# Altium PCB park-contor-12i.PcbDoc (part 2 of 2)
Units mm, origin at the board's own origin, x right, y up, seen from the top; angles counter-clockwise.
Board outline 150 x 232.92 mm, 2 copper layers (Top Layer, Bottom Layer); 154 components, 163 nets, 608 pads, 78 vias.
Unrouted connection lines stored in the file: 101.
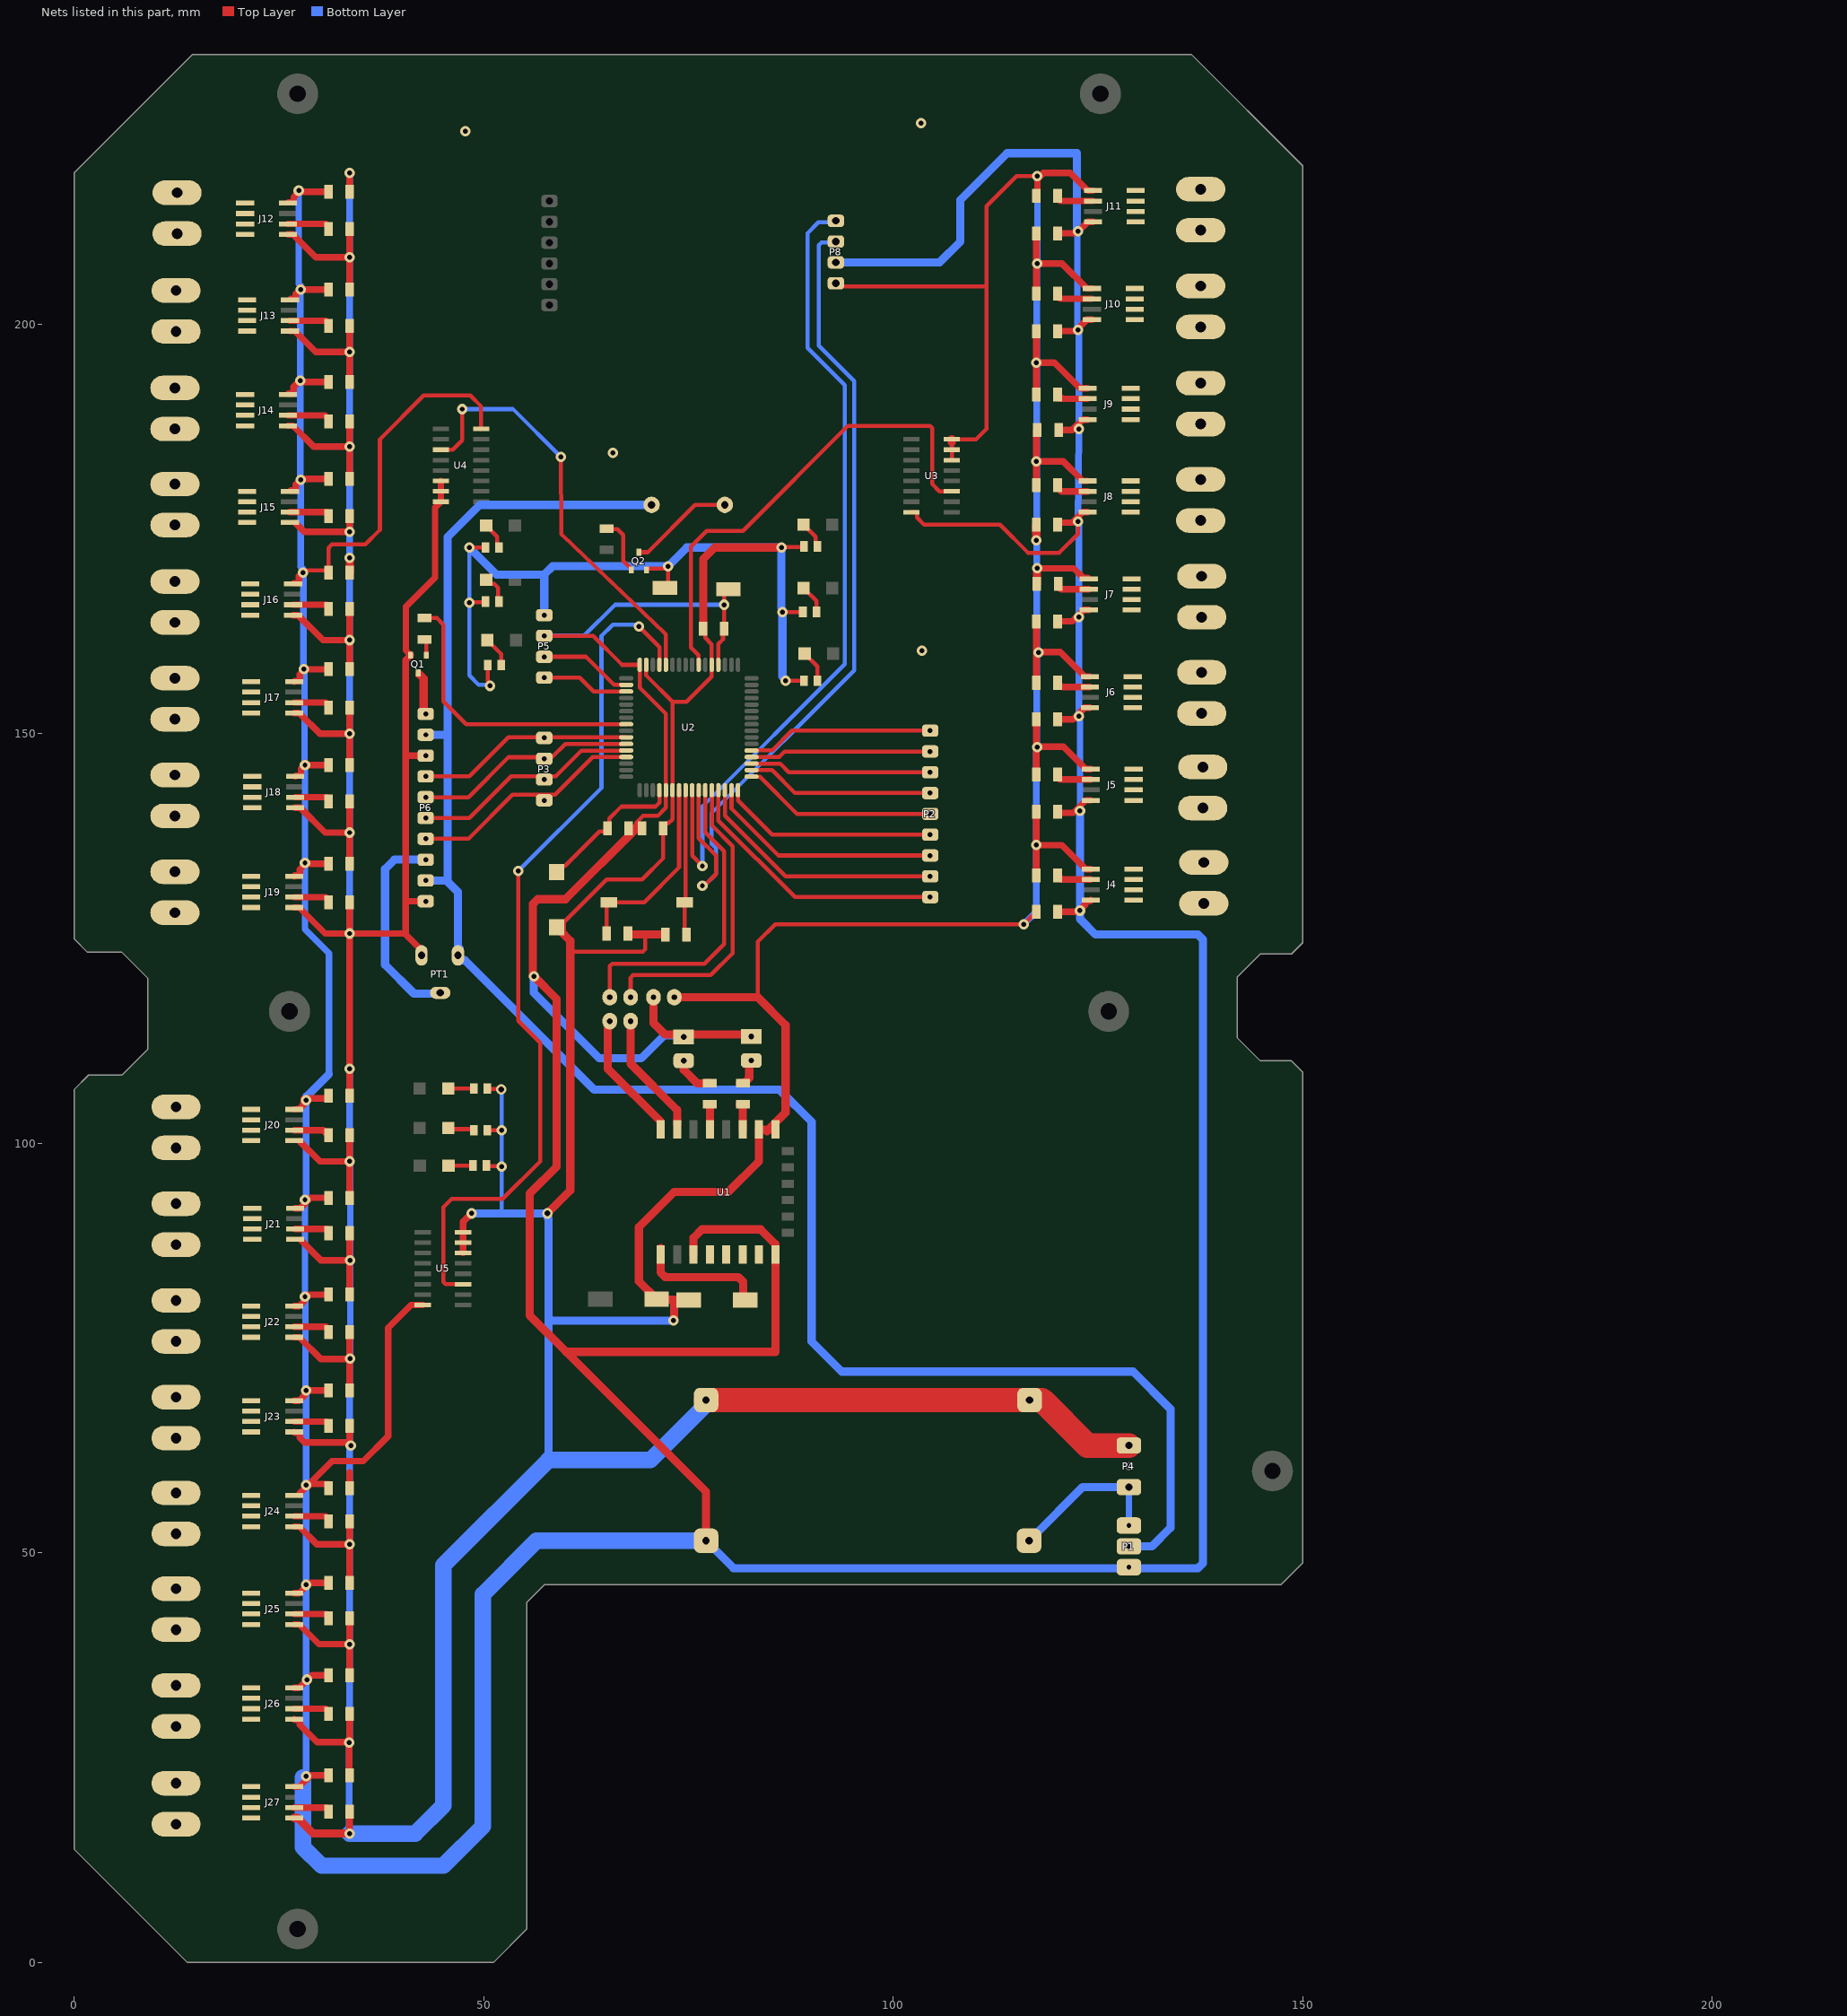
[diagram p2: the nets of this part, all layers, seen from the top]

## Via types
v1: diameter 1.27, hole 0.6, Top Layer to Bottom Layer, 76 vias
v2: diameter 1.27, hole 0.711, Top Layer to Bottom Layer, 2 vias

## Nets (pads, with @x,y where several pads share a name; then routed paths per layer and width w, separated by ;. In a path a pad name is that pad's centre, name@x,y a point inside that pad or via, vN(x,y) a via of type N, cw(c..) or ccw(c..) an arc to the next point about the centre after c; other vN are vias at no path point) (continued)
GND: btn.2 C1.2 C2.2 C3.2 C4.2 C5.2 C6.1 C7.1 C8.1 C9.1 C10.1 C11.1 C12.1 C13.1 C14.1 C15.1 C16.1 C17.1 C18.1 C19.1 C20.1 C21.1 C22.1 C23.1 C24.1 C25.1 C26.1 C27.1 C28.1 C29.1 C30.1 C31.1 C32.1 C33.1 C34.1 C35.1 C36.1 C37.1 C38.1 C39.1 C40.1 C41.1 C42.1 C43.1 C44.1 C45.1 C46.1 C47.1 C48.1 C49.1 C50.1 C51.1 C52.1 C53.1 E1.1 E3.1 J1.2 J4.5 J5.5 J6.5 J7.5 J8.5 J9.5 J10.5 J11.5 J12.5 J13.5 J14.5 J15.5 J16.5 J17.5 J18.5 J19.5 J20.5 J21.5 J22.5 J23.5 J24.5 J25.5 J26.5 J27.5 P4.1 P5.4 P6.3 P6.10 P8.4 PT1.2 Q1.2 Q2.2 R6.2 R7.2 R8.2 R9.2 R10.2 R11.2 R12.2 R13.2 R14.2 rst.2 U1.15 U1.16 U2.22 U2.53 U2.63 U3.6 U3.7 U3.8 U4.6 U4.7 U4.8 U5.6 U5.7 U5.8 | length 1328.7
  Top Layer w0.5: v1(48.26,165.989) 48.323,166.052 50.179,166.052 R10.2@50.242,166.116 ; v1(48.26,172.72) R11.2@50.242,172.72 ; R14.2@50.342,97.282 50.405,97.218 52.161,97.218 v1@52.225,97.155 ; R13.2@50.469,101.6 v1(52.197,101.6) ; R12.2@50.469,106.68 50.532,106.617 52.133,106.617 v2@52.197,106.553 ; R9.2@50.496,158.369 50.496,156.341 50.8,156.037 v1(50.8,155.829) ; rst.2@59.817,125.476 59.817,125.865 59.817,127 65.024,132.207 69.342,132.207 71.938,134.803 C1.2@71.938,138.43 71.938,138.755 72.213,139.03 72.538,139.03 73.057,139.549 U2.22@73.057,143.099 73.057,153.892 ; 60.579,123.389 69.43,123.389 69.723,123.682 69.723,125.476 ; U2.63@69.857,158.399 69.857,157.092 73.057,153.892 ; Q2.2@69.911,169.994 69.911,170.119 69.961,170.169 72.044,170.169 72.309,170.434 v1(72.517,170.434) 72.517,168.148 C3.2@72.136,167.767 ; C2.2@77.054,162.722 77.054,161.706 77.847,160.913 77.847,158.409 U2.53@77.857,158.399 77.847,158.389 77.847,156.968 74.771,153.892 73.057,153.892 ; 83.466,117.829 83.466,124.614 85.598,126.746 v1(115.951,126.746) C19.1@117.475,128.27 ; v1(86.36,172.72) 86.423,172.784 89.041,172.784 R8.2@89.104,172.847 ; v1(86.487,164.846) R7.2@88.977,164.846 ; v1(86.868,156.464) R6.2@89.104,156.464 ; P8.4@93,204.978 93.271,204.978 93.652,204.597 111.379,204.597 ; U3.6@107.163,183.388 U3.7@107.163,184.658 107.163,185.547 ; U3.8@107.163,185.928 110.109,185.928 111.379,187.198 111.379,204.597 ; v1(117.602,218.059) 115.062,218.059 111.379,214.376 111.379,204.597
  Top Layer w0.8: J14.5@26.111,187.579 26.721,187.579 29.261,185.039 v1(33.655,185.039) ; J12.5@26.111,210.947 26.721,210.947 29.515,208.153 v1(33.655,208.153) ; J13.5@26.365,199.136 26.975,199.136 29.515,196.596 v1(33.655,196.596) ; J16.5@26.746,164.465 27.356,164.465 30.404,161.417 v1(33.655,161.417) ; J26.5@26.873,29.718 26.968,29.623 27.578,29.623 27.578,29.013 29.667,26.924 33.186,26.924 v1@33.357,27.095 ; J25.5@26.873,41.275 27.483,41.275 29.896,38.862 v1(33.655,38.862) ; J24.5@26.873,53.213 27.483,53.213 29.642,51.054 v1(33.655,51.054) ; J23.5@26.873,64.77 26.968,64.675 27.578,64.675 27.578,64.064 28.142,63.5 33.205,63.5 33.459,63.246 33.518,63.323 33.655,63.5 C49.1@33.655,65.532 ; J22.5@26.873,76.327 27.483,76.327 30.15,73.66 33.401,73.66 v1@33.655,73.914 ; J19.5@26.873,128.778 27.483,128.778 30.658,125.603 v1(33.655,125.603) ; J17.5@26.873,152.527 27.483,152.527 30.023,149.987 v1(33.655,149.987) ; J18.5@27,140.97 27.61,140.97 30.658,137.922 v1(33.655,137.922) ; J15.5@27.07,175.673 28.118,174.625 v1(33.655,174.625) C41.1@33.655,176.53 ; J20.5@27.578,100.235 30.023,97.79 v1(33.655,97.79) ; J21.5@27.705,88.17 30.15,85.725 v1@33.655,85.725 ; v1@33.528,26.924 v1@33.528,27.266 ; v1(33.655,15.748) C53.1@33.655,18.415 ; C16.1@33.655,22.86 33.591,22.924 v1(33.591,26.86) 33.655,26.924 C52.1@33.655,30.353 ; C24.1@33.655,35.052 v1(33.655,38.862) ; C51.1@33.655,42.037 v1(33.655,38.862) ; C29.1@33.655,46.355 v1(33.655,51.054) ; C50.1@33.655,53.848 v1(33.655,51.054) ; C13.1@33.655,57.912 33.655,59.817 ; C14.1@33.655,69.85 v1@33.655,73.914 ; C48.1@33.655,76.962 v1@33.655,73.914 ; C15.1@33.655,81.534 v1@33.655,85.725 ; C47.1@33.655,89.027 v1@33.655,85.725 ; C20.1@33.655,93.345 v1(33.655,97.79) ; C46.1@33.655,101.473 C46.1@33.655,100.965 v1(33.655,97.79) ; C21.1@33.655,105.791 v1(33.655,109.093) v1(33.655,125.603) ; C45.1@33.655,129.413 v1(33.655,125.603) ; C9.1@33.655,134.112 v1(33.655,137.922) ; C44.1@33.655,141.732 v1(33.655,137.922) ; C6.1@33.655,146.177 v1(33.655,149.987) ; C43.1@33.655,153.162 v1(33.655,149.987) ; C17.1@33.655,157.861 v1(33.655,161.417) ; C42.1@33.655,165.227 v1(33.655,161.417) ; C8.1@33.655,181.102 v1(33.655,185.039) ; C40.1@33.655,188.087 v1(33.655,185.039) ; C12.1@33.655,192.913 v1(33.655,196.596) ; C39.1@33.655,199.771 v1(33.655,196.596) ; C11.1@33.655,204.216 v1(33.655,208.153) ; C38.1@33.655,211.582 v1(33.655,208.153) ; C10.1@33.655,216.154 v1(33.655,218.44) ; PT1.2@42.418,122.388 42.418,123.571 40.386,125.603 ; P6.10@42.926,129.54 40.489,129.54 ; P6.3@42.926,147.32 40.489,147.32 ; U4.6@44.78,180.848 U4.7@44.78,179.578 U4.8@44.78,178.308 44.069,177.597 44.069,169.037 40.513,165.481 40.513,160.145 Q1.2@41.087,159.571 40.489,158.973 40.489,147.32 ; U5.6@47.498,86.614 U5.7@47.498,87.884 U5.8@47.498,89.154 47.498,90.424 v1@48.26,91.186 ; v1@117.463,207.252 v1@117.475,207.264 ; C30.1@117.475,132.715 v1(117.475,136.398) ; C22.1@117.475,140.462 v1(117.475,136.398) ; C31.1@117.475,145.034 v1@117.475,148.399 ; C28.1@117.475,151.765 v1@117.475,148.399 ; C32.1@117.475,156.21 v1@117.475,159.957 ; C27.1@117.475,163.703 v1@117.475,159.957 ; C26.1@117.475,175.514 C26.1@117.51,175.479 ; C34.1@117.475,180.34 v1(117.475,183.246) ; C35.1@117.475,191.389 v1(117.475,195.262) ; C23.1@117.475,199.136 v1(117.475,195.262) ; C36.1@117.475,203.708 v1@117.475,207.264 ; C18.1@117.475,211.074 v1@117.475,207.264 ; C37.1@117.475,215.646 117.6,215.771 v1@117.6,217.676 ; C33.1@117.51,168.311 C33.1@117.546,168.275 ; C25.1@117.602,187.071 117.477,186.946 117.477,186.154 117.475,186.152 v1(117.475,183.246) ; v1@117.781,170.18 122.044,170.18 123.171,169.053 123.171,169.005 J7.5@123.781,169.005 ; v1@117.792,217.868 118.364,218.44 121.615,218.44 123.774,216.281 J11.5@124.384,216.281 ; J8.5@123.749,180.848 123.139,180.848 120.741,183.246 v1(117.475,183.246) ; J9.5@123.749,192.151 122.809,192.151 119.697,195.262 v1(117.475,195.262) ; J6.5@124.003,156.972 123.393,156.972 120.409,159.957 v1@117.475,159.957 ; J4.5@124.13,133.477 123.52,133.477 120.599,136.398 v1(117.475,136.398) ; J5.5@124.13,145.669 123.52,145.669 120.79,148.399 v1@117.475,148.399 ; J10.5@124.257,204.343 123.647,204.343 120.599,207.391 v1(117.602,207.391) v1@117.475,207.264 ; v1(33.655,125.603) 40.386,125.603 ; 40.386,125.603 40.489,125.706 40.489,129.54 ; 40.489,129.54 40.489,147.32
  Top Layer w1: J27.5@26.873,17.653 27.283,17.653 29.188,15.748 v1(33.655,15.748) ; C7.1@33.655,169.672 v1(33.655,171.45) ; v1(33.655,218.44) v1@33.755,218.34 ; v2(57.785,91.44) 57.785,91.455 60.579,94.249 60.579,123.389 60.579,124.714 59.817,125.476 59.428,125.865 59.353,125.865 58.928,126.29 rst.2@58.928,126.365 ; C4.2@67.62,125.603 67.747,125.476 69.723,125.476 C5.2@72.18,125.476 ; btn.2@71.12,80.999 68.961,83.158 68.961,89.762 73.279,94.08 79.883,94.08 83.622,97.819 U1.16@83.622,101.689 84.798,101.689 ; btn.2@71.128,80.991 71.183,80.935 73.252,80.935 ; v1@73.152,78.359 73.252,78.459 73.252,80.872 rst.2@75.057,80.872 ; J1.2@73.279,117.829 83.466,117.829 86.868,114.427 86.868,103.759 84.798,101.689 ; C2.2@76.804,162.814 76.804,171.292 78.232,172.72 v1(86.36,172.72) ; 84.582,101.473 84.798,101.689 ; U1.15@85.622,101.689 84.798,101.689 ; 107.163,185.547 U3.8@107.163,185.928 ; v1(117.475,173.609) C26.1@117.475,175.514 ; C33.1@117.546,168.275 117.571,168.3 117.571,170.149 v1(117.602,170.18)
  Top Layer w3: E3.1@77.156,68.661 E1.1@116.656,68.661 118.156,68.661 123.698,63.119 P4.1@128.778,63.119
  Bottom Layer w0.5: v1(48.26,172.72) v1(48.26,165.989) 48.26,157.099 49.415,155.944 50.685,155.944 v1(50.8,155.829) ; 52.197,91.44 v1(52.197,97.155) v1(52.197,101.6) v2@52.197,106.712
  Bottom Layer w0.8: v1(33.655,15.748) 33.591,15.811 v1(33.591,26.86) 33.528,26.924 33.655,27.051 v1(33.655,38.862) v1(33.655,51.054) 33.655,73.533 33.782,73.66 v1(33.718,73.724) v1(33.718,85.725) 33.718,97.727 v1(33.655,97.79) v1(33.655,109.093) ; v1(33.655,125.603) v1(33.655,137.922) v1(33.655,149.987) v1(33.655,161.417) v1(33.655,171.45) v1(33.655,174.625) v1(33.655,185.039) v1(33.655,196.596) v1(33.655,208.153) v1(33.655,218.44) ; v1(115.951,126.746) 117.475,128.27 v1(117.475,136.398) 117.475,148.399 117.538,148.463 117.538,207.327 v1(117.602,207.391) v1(117.602,218.059)
  Bottom Layer w1: v1(48.26,172.72) 51.562,169.418 57.404,169.418 ; v1(48.514,91.44) 52.197,91.44 v2(57.785,91.44) 57.837,91.388 57.837,90.891 57.912,90.815 57.912,78.74 ; P5.4@57.404,164.465 57.404,169.418 ; 57.912,61.341 57.912,78.74 ; v1(73.174,78.359) 58.293,78.359 57.912,78.74 ; v1(86.868,156.464) 86.868,156.606 86.487,156.987 v1(86.487,164.846) 86.387,164.946 86.387,165.317 86.36,165.344 v1(86.36,172.72) 74.803,172.72 v1(72.517,170.434) 58.42,170.434 57.404,169.418
  Bottom Layer w2: v1(33.655,15.748) 41.656,15.748 45.085,19.177 45.085,48.514 57.912,61.341 70.358,61.341 E3.1@77.861,68.844
  other v1: 33.782,63.119 117.602,148.336 117.729,159.893 103.505,160.147 65.786,184.277 47.752,223.52 103.378,224.536
  other v2: 52.168,106.565
i1: U2.61 U5.3 | length 106.3
  Top Layer w0.5: U5.3@47.498,82.804 45.378,82.804 45.085,83.097 45.085,92.202 46.101,93.218 52.324,93.218 56.896,97.79 56.896,112.268 54.229,114.935 v1(54.229,133.223) ; v1(68.961,163.068) 71.301,160.712 71.31,160.703 ; 71.311,160.703 71.457,160.556 U2.61@71.457,158.399
  Bottom Layer w0.5: v1(54.229,133.223) 64.389,143.383 64.389,161.925 65.786,163.322 68.41,163.322 68.468,163.264 69.019,163.264 v1(68.961,163.068)
i2: U2.60 U4.3 | length 51.8
  Top Layer w0.5: U4.3@44.78,184.658 46.228,184.658 47.371,185.801 v1@47.371,189.23 ; v1(59.436,183.769) 59.469,174.578 59.47,174.372 59.619,174.223 72.107,162.243 72.11,162.24 72.257,162.093 U2.60@72.257,158.399
  Bottom Layer w0.5: v1(47.371,189.611) 53.594,189.611 v1(59.436,183.769)
i3: U2.55 U3.3 | length 60.1
  Top Layer w0.5: U2.55@76.257,158.399 76.257,159.582 75.311,160.528 75.311,172.847 77.216,174.752 81.661,174.752 94.488,187.579 104.482,187.579 104.775,187.286 104.775,180.467 105.664,179.578 U3.3@107.163,179.578
i9: U1.7
i11: U1.5
i12: U1.4
i13: U1.6
k1: P2.3 U2.35 | length 22.3
  Top Layer w0.5: U2.35@82.707,146.349 86.188,146.349 87.249,145.288 P2.3@104.521,145.288
k2: P2.2 U2.36 | length 22.1
  Top Layer w0.5: U2.36@82.707,147.149 82.717,147.159 83.352,147.159 83.363,147.17 86.083,147.17 86.741,147.828 P2.2@104.521,147.828
k3: P2.1 U2.37 | length 22.8
  Top Layer w0.5: U2.37@82.707,147.949 85.211,147.949 87.63,150.368 P2.1@104.521,150.368
l1: P3.4 P6.4 U2.10 | length 26.5
  Top Layer w0.5: P6.4@42.926,144.78 48.26,144.78 53.029,149.549 57.404,149.549 U2.10@67.407,149.549
l2: P3.3 P6.5 U2.11 | length 27.2
  Top Layer w0.5: P6.5@42.926,142.24 48.133,142.24 53.012,147.119 57.404,147.119 58.346,147.119 59.966,148.739 67.397,148.739 U2.11@67.407,148.749
l3: P3.2 P6.6 U2.12 | length 27.9
  Top Layer w0.5: P6.6@42.926,139.7 48.26,139.7 53.34,144.78 57.404,144.78 58.801,144.78 61.96,147.939 67.397,147.939 U2.12@67.407,147.949
l4: P3.1 P6.7 U2.13 | length 28.6
  Top Layer w0.5: P6.7@42.926,137.16 48.133,137.16 53.53,142.558 58.737,142.558 63.319,147.139 67.397,147.139 U2.13@67.407,147.149
lcd: R2.1 U2.8 | length 35.5
  Top Layer w0.5: R2.1@42.799,164.109 44.298,164.109 45.085,163.322 45.085,153.924 47.86,151.149 U2.8@67.407,151.149
led: R4.1 U1.17 | length 3.4
  Top Layer w1: R4.1@81.28,104.75 R4.1@81.597,104.75 ; U1.17@81.622,101.689 R4.1@81.622,104.75
NetBuzzer1_2: Buzzer1.2 Q2.3 | length 12.9
  Top Layer w0.5: Q2.3@68.961,172.144 70.036,172.144 75.819,177.927 Buzzer1.2@79.45,177.927
NetC4_1: C4.1 U2.23 Y1.2 | length 22.7
  Top Layer w0.5: C4.1@65.024,125.626 Y1.2@65.024,128.778 ; Y1.2@65.532,129.413 69.596,129.413 73.857,133.674 U2.23@73.857,143.099
NetC5_1: C5.1 U2.24 Y1.1 | length 17.7
  Top Layer w0.5: Y1.1@74.549,129.413 74.549,125.703 C5.1@74.776,125.476 ; Y1.1@74.647,129.413 74.647,143.089 U2.24@74.657,143.099
NetC30_2: C30.2 J4.6 | length 4.3
  Top Layer w0.8: C30.2@120.071,132.715 120.579,132.207 J4.6@124.13,132.207
NetC31_2: C31.2 J5.6 | length 4.5
  Top Layer w0.8: C31.2@120.071,145.034 120.071,144.709 120.381,144.399 J5.6@124.13,144.399
NetC32_2: C32.2 J6.6 | length 4.3
  Top Layer w0.8: C32.2@120.071,156.21 120.071,155.885 120.196,155.76 120.607,155.76 120.665,155.702 J6.6@124.003,155.702
NetC33_2: C33.2 J7.6 | length 4.2
  Top Layer w0.8: C33.2@120.142,168.275 120.142,167.95 120.452,167.64 J7.6@123.876,167.64
NetC34_2: C34.2 J8.6 | length 4.2
  Top Layer w0.8: C34.2@120.071,180.34 120.071,180.015 120.508,179.578 J8.6@123.749,179.578
NetC35_2: C35.2 J9.6 | length 4.4
  Top Layer w0.8: J9.6@123.749,190.881 120.665,190.881 120.607,190.939 120.196,190.939 C35.2@120.071,191.064 ; C35.2@120.071,191.064 C35.2@120.071,191.389 C35.2@120.071,191.064
NetC36_2: C36.2 J10.6 | length 4.6
  Top Layer w0.8: C36.2@120.071,203.708 120.071,203.383 120.381,203.073 J10.6@124.257,203.073
NetC37_2: C37.2 J11.6 | length 4.8
  Top Layer w0.8: C37.2@120.071,215.646 120.071,215.321 120.381,215.011 J11.6@124.384,215.011
NetC38_2: C38.2 J12.6 | length 5.4
  Top Layer w0.8: J12.6@26.111,212.217 30.749,212.217 31.059,211.907 C38.2@31.059,211.582
NetC39_2: C39.2 J13.6 | length 5.1
  Top Layer w0.8: J13.6@26.365,200.406 30.749,200.406 31.059,200.096 C39.2@31.059,199.771
NetC40_2: C40.2 J14.6 | length 5.5
  Top Layer w0.8: J14.6@26.111,188.849 30.622,188.849 31.059,188.412 C40.2@31.059,188.087
NetC41_2: C41.2 J15.6 | length 5.1
  Top Layer w0.8: J15.6@26.365,177.038 30.876,177.038 31.059,176.855 C41.2@31.059,176.53
NetC42_2: C42.2 J16.6 | length 4.7
  Top Layer w0.8: J16.6@26.746,165.735 30.876,165.735 31.059,165.552 C42.2@31.059,165.227
NetC43_2: C43.2 J17.6 | length 4.6
  Top Layer w0.8: J17.6@26.873,153.797 30.749,153.797 31.059,153.487 C43.2@31.059,153.162
NetC44_2: C44.2 J18.6 | length 4.5
  Top Layer w0.8: J18.6@27,142.24 30.876,142.24 31.059,142.057 C44.2@31.059,141.732
NetC45_2: C45.2 J19.6 | length 4.6
  Top Layer w0.8: J19.6@26.873,130.048 30.749,130.048 31.059,129.738 C45.2@31.059,129.413
NetC46_2: C46.2 J20.6 | length 4.6
  Top Layer w0.5: C46.2@30.932,101.6 C46.2@31.059,101.473
  Top Layer w0.8: J20.6@26.873,101.6 30.424,101.6 30.805,101.219 C46.2@31.059,100.965
NetC47_2: C47.2 J21.6 | length 4.1
  Top Layer w0.8: J21.6@27,89.535 30.934,89.535 31.059,89.41 C47.2@31.059,89.408
NetC48_2: C48.2 J22.6 | length 4.6
  Top Layer w0.8: J22.6@26.873,77.597 30.749,77.597 31.059,77.287 C48.2@31.059,76.962
NetC49_2: C49.2 J23.6 | length 4.6
  Top Layer w0.8: J23.6@26.873,66.04 30.876,66.04 31.059,65.857 C49.2@31.059,65.532
NetC50_2: C50.2 J24.6 | length 4.6
  Top Layer w0.8: J24.6@26.873,54.483 30.749,54.483 31.059,54.173 C50.2@31.059,53.848
NetC51_2: C51.2 J25.6 | length 4.6
  Top Layer w0.8: J25.6@26.873,42.545 30.876,42.545 31.059,42.362 C51.2@31.059,42.037
NetC52_2: C52.2 J26.6 | length 4.6
  Top Layer w0.8: J26.6@26.873,30.988 30.749,30.988 31.059,30.678 C52.2@31.059,30.353
NetC53_2: C53.2 J27.6 | length 4.6
  Top Layer w0.8: J27.6@26.873,18.923 30.876,18.923 31.059,18.74 C53.2@31.059,18.415
NetD1_2: D1.2 R3.2 | length 5
  Top Layer w1: D1.2@74.423,110.082 74.423,108.965 76.072,107.316 77.243,107.316 77.272,107.346 R3.2@77.597,107.346
NetD2_2: D2.2 R4.2 | length 3.5
  Top Layer w1: R4.2@81.28,107.346 81.305,107.371 81.837,107.371 82.423,107.956 D2.2@82.423,110.109
NetD3_2: D3.2 R6.1 | length 4
  Top Layer w0.5: D3.2@89.182,159.766 90.754,158.194 R6.1@90.754,156.464
NetD4_2: D4.2 R7.1 | length 3.6
  Top Layer w0.5: D4.2@89.055,167.767 90.627,166.195 R7.1@90.627,164.846
NetD5_2: D5.2 R8.1 | length 3.4
  Top Layer w0.5: D5.2@89.055,175.514 90.529,174.04 90.529,173.072 R8.1@90.754,172.847
NetD6_2: D6.2 R9.1 | length 3.8
  Top Layer w0.5: D6.2@50.447,161.417 52.146,159.718 R9.1@52.146,158.369
NetD7_2: D7.2 R10.1 | length 4.4
  Top Layer w0.5: D7.2@50.347,169.236 50.347,168.756 50.82,168.283 51.3,168.283 51.765,167.818 R10.1@51.765,165.735
NetD8_2: D8.2 R11.1 | length 3.3
  Top Layer w0.5: D8.2@50.32,175.387 51.667,174.04 51.667,172.945 R11.1@51.892,172.72
NetD9_2: D9.2 R12.1 | length 2.8
  Top Layer w0.5: D9.2@45.692,106.68 R12.1@48.514,106.68
NetD10_2: D10.2 R13.1 | length 2.9
  Top Layer w0.5: D10.2@45.692,101.854 45.819,101.727 R13.1@48.514,101.727
NetD11_2: D11.2 R14.1 | length 2.8
  Top Layer w0.5: D11.2@45.72,97.282 R14.1@48.542,97.282
NetE4_1: E4.1 P1.3 P4.3 | length 19.5
  Bottom Layer w0.8: P1.3@128.778,53.34 P4.3@128.778,58.039
  Bottom Layer w1: E4.1@116.588,51.745 116.838,51.995 117.088,51.995 123.132,58.039 P4.3@128.778,58.039
NetJ2_1: J2.1 U2.28 | length 37
  Top Layer w0.5: J2.1@67.945,117.829 67.945,120.23 68.238,120.523 77.724,120.523 80.391,123.19 80.391,136.271 77.867,138.795 77.867,143.089 U2.28@77.857,143.099
NetJ2_2: J2.2 U2.27 | length 38.6
  Top Layer w0.5: J2.2@65.405,117.829 65.405,121.627 65.698,121.92 76.962,121.92 79.375,124.333 79.375,135.636 77.078,137.933 77.078,142.443 77.067,142.454 77.067,143.089 U2.27@77.057,143.099
NetJ3_1: J3.1 U1.22 | length 16
  Top Layer w1: J3.1@65.405,114.908 65.256,114.759 65.256,114.082 65.151,113.977 65.151,109.093 71.622,102.622 U1.22@71.622,101.689
NetJ3_2: J3.2 U1.21 | length 13.9
  Top Layer w1: 67.945,113.892 67.945,109.728 73.622,104.051 U1.21@73.622,102.314
NetJ4_1: J4.1 J4.2 T1.1
NetJ4_3: J4.3 J4.4 T1.2
NetJ5_1: J5.1 J5.2 T2.1
NetJ5_3: J5.3 J5.4 T2.2
NetJ6_1: J6.1 J6.2 T3.1
NetJ6_3: J6.3 J6.4 T3.2
NetJ7_1: J7.1 J7.2 T4.1
NetJ7_3: J7.3 J7.4 T4.2
NetJ8_1: J8.1 J8.2 T5.1
NetJ8_3: J8.3 J8.4 T5.2
NetJ9_1: J9.1 J9.2 T6.1
NetJ9_3: J9.3 J9.4 T6.2
NetJ10_1: J10.1 J10.2 T7.1
NetJ10_3: J10.3 J10.4 T7.2
NetJ11_1: J11.1 J11.2 T8.1
NetJ11_3: J11.3 J11.4 T8.2
NetJ12_1: J12.1 J12.2 T9.1
NetJ12_3: J12.3 J12.4 T9.2
NetJ13_1: J13.1 J13.2 T10.1
NetJ13_3: J13.3 J13.4 T10.2
NetJ14_1: J14.1 J14.2 T11.1
NetJ14_3: J14.3 J14.4 T11.2
NetJ15_1: J15.1 J15.2 T12.1
NetJ15_3: J15.3 J15.4 T12.2
NetJ16_1: J16.1 J16.2 T13.1
NetJ16_3: J16.3 J16.4 T13.2
NetJ17_1: J17.1 J17.2 T14.1
NetJ17_3: J17.3 J17.4 T14.2
NetJ18_1: J18.1 J18.2 T15.1
NetJ18_3: J18.3 J18.4 T15.2
NetJ19_1: J19.1 J19.2 T16.1
NetJ19_3: J19.3 J19.4 T16.2
NetJ20_1: J20.1 J20.2 T17.1
NetJ20_3: J20.3 J20.4 T17.2
NetJ21_1: J21.1 J21.2 T18.1
NetJ21_3: J21.3 J21.4 T18.2
NetJ22_1: J22.1 J22.2 T19.1
NetJ22_3: J22.3 J22.4 T19.2
NetJ23_1: J23.1 J23.2 T20.1
NetJ23_3: J23.3 J23.4 T20.2
NetJ24_1: J24.1 J24.2 T21.1
NetJ24_3: J24.3 J24.4 T21.2
NetJ25_1: J25.1 J25.2 T22.1
NetJ25_3: J25.3 J25.4 T22.2
NetJ26_1: J26.1 J26.2 T23.1
NetJ26_3: J26.3 J26.4 T23.2
NetJ27_1: J27.1 J27.2 T24.1
NetJ27_3: J27.3 J27.4 T24.2
NetP2_4: P2.4 U2.34 | length 23
  Top Layer w0.5: U2.34@82.707,145.549 85.21,145.549 88.011,142.748 P2.4@104.521,142.748
NetP2_5: P2.5 U2.33 | length 23.7
  Top Layer w0.5: U2.33@82.707,144.749 82.717,144.739 83.734,144.739 88.265,140.208 P2.5@104.521,140.208
NetP2_6: P2.6 U2.32 | length 26.5
  Top Layer w0.5: U2.32@81.057,143.099 81.057,141.828 85.217,137.668 P2.6@104.521,137.668
NetP2_7: P2.7 U2.31 | length 28.9
  Top Layer w0.5: U2.31@80.257,143.099 80.267,143.089 80.267,140.84 85.979,135.128 P2.7@104.521,135.128
NetP2_8: P2.8 U2.30 | length 31.2
  Top Layer w0.5: U2.30@79.457,143.099 79.467,143.089 79.467,139.989 86.868,132.588 P2.8@104.521,132.588
NetP2_9: P2.9 U2.29 | length 33.4
  Top Layer w0.5: U2.29@78.657,143.099 78.667,143.089 78.667,139.392 88.011,130.048 P2.9@104.521,130.048
NetP5_1: P5.1 U2.3 | length 10.7
  Top Layer w0.5: P5.1@57.404,156.845 61.722,156.845 63.418,155.149 U2.3@67.407,155.149
NetP5_2: P5.2 U2.2 | length 11.4
  Top Layer w0.5: P5.2@57.404,159.385 62.484,159.385 65.92,155.949 U2.2@67.407,155.949
NetP6_1: P6.1 Q1.3 | length 5.1
  Top Layer w1: Q1.3@42.164,157.226 42.676,156.714 42.676,152.65 P6.1@42.926,152.4
NetP6_8: P6.8 PT1.3 | length 25.9
  Bottom Layer w1: P6.8@42.926,134.62 39.116,134.62 37.973,133.477 37.973,121.793 41.498,118.268 PT1.3@45.308,118.268
NetQ1_2: Q1.1 R2.2 | length 2
  Top Layer w0.5: Q1.1@43.003,159.385 R2.2@43.003,161.389
NetQ2_2: Q2.1 R5.2 | length 7.3
  Top Layer w0.5: R5.2@64.724,175.006 64.761,174.969 66.331,174.969 67.047,174.254 67.047,171.084 68.011,170.119 Q2.1@68.011,169.994
NetR3_1: R3.1 U1.19 | length 3.1
  Top Layer w1: R3.1@77.597,104.75 77.622,104.725 U1.19@77.622,101.689
rst: R1.1 rst.1@58.928,133.096 U2.20 | length 17.6
  Top Layer w0.5: rst.1@59.056,133.615 59.288,133.846 59.932,133.846 64.143,138.057 64.851,138.057 65.126,138.332 R1.1@65.126,138.43 ; R1.1@65.348,138.653 65.348,139.643 66.802,141.097 70.993,141.097 71.457,141.561 U2.20@71.457,143.099
rstsim: rst.1@81.915,80.872 U1.1 | length 15.8
  Top Layer w1: U1.1@71.597,87.212 71.597,84.252 72.183,83.666 81.106,83.666 81.691,83.08 81.691,81.096 rst.1@81.915,80.872
scl: P8.1 U2.25 | length 99.2
  Top Layer w0.5: U2.25@75.457,143.099 75.457,135.109 v1(76.708,133.858)
  Bottom Layer w0.5: v1(76.708,133.858) 76.708,141.097 94.107,158.496 94.107,192.532 89.535,197.104 89.535,211.074 90.868,212.407 92.011,212.407 P8.1@92.075,212.471
sda: P8.2 U2.26 | length 103
  Top Layer w0.5: U2.26@76.257,143.099 76.257,137.23 78.359,135.128 78.359,132.842 77.314,131.797 77.269,131.797 76.916,131.445 v1(76.708,131.445)
  Bottom Layer w0.5: v1@76.708,131.191 78.359,132.842 78.359,136.017 77.851,136.525 77.851,140.335 95.25,157.734 95.25,193.04 90.932,197.358 90.932,209.638 91.225,209.931 P8.2@92.075,209.931
vcc: Buzzer1.1 P1.2 P6.2 P6.9 PT1.1 | length 229.1
  Bottom Layer w1: P6.2@42.926,149.86 45.466,149.86 45.593,149.733 ; P6.9@43.021,132.08 45.466,132.08 45.593,131.953 ; PT1.1@46.863,122.936 46.863,122.571 47.094,122.34 47.713,122.34 63.503,106.55 86.109,106.55 90.043,102.616 90.043,75.819 93.726,72.136 129.286,72.136 133.858,67.564 133.858,53.086 131.572,50.8 P1.2@128.778,50.8 ; PT1.1@47.094,123.737 46.863,123.968 46.863,130.683 45.593,131.953 ; Buzzer1.1@70.5,177.927 49.53,177.927 45.593,173.99 45.593,149.733 ; 45.593,131.953 45.593,149.733
vdd: C1.1 C2.1 C3.1 C6.2 C7.2 C8.2 C9.2 C10.2 C11.2 C12.2 C13.2 C14.2 C15.2 C16.2 C17.2 C18.2 C19.2 C20.2 C21.2 C22.2 C23.2 C24.2 C25.2 C26.2 C27.2 C28.2 C29.2 D1.1 D2.1 E2.1 J1.1 J4.8 J5.8 J6.8 J7.8 J8.8 J9.8 J10.8 J11.8 J12.8 J13.8 J14.8 J15.8 J16.8 J17.8 J18.8 J19.8 J20.8 J21.8 J22.8 J23.8 J24.8 J25.8 J26.8 J27.8 P1.1 P5.3 P8.3 R1.2 U1.3 U1.8 U2.21 U2.52 U2.64 U3.16 U4.16 U5.16 | length 1056.9
  Top Layer w0.5: v1@27.94,169.926 30.805,169.926 C7.2@31.059,169.672 31.059,172.681 31.479,173.101 35.56,173.101 37.338,174.879 37.338,185.928 42.672,191.262 48.387,191.262 49.708,189.941 U4.16@49.708,187.198 ; P5.3@57.658,161.925 63.373,161.925 66.899,158.399 U2.64@69.057,158.399 69.057,155.606 72.236,152.427 72.236,142.388 72.257,142.367 72.257,140.964 71.247,139.954 69.469,139.954 68.66,139.145 68.66,138.731 C1.1@68.961,138.43 ; 68.58,138.43 C1.1@68.961,138.43 ; C1.1@69.342,138.43 C1.1@68.961,138.43 ; U2.52@78.657,158.399 78.667,158.409 78.667,160.963 79.229,161.525 79.229,162.816 C2.1@79.375,162.963 ; C2.1@79.375,162.814 79.375,167.132 C3.1@79.883,167.64 ; U3.16@102.235,177.038 102.871,177.038 102.9,177.009 102.9,176.373 103.759,175.514 113.03,175.514 116.459,172.085 120.269,172.085 122.555,174.371 v1@122.555,175.641
  Top Layer w0.8: J14.8@26.206,191.484 26.805,191.484 26.805,192.336 27.559,193.09 v1@27.559,193.167 ; J12.8@26.206,214.852 26.816,214.852 26.816,215.469 27.197,215.85 27.197,215.919 27.432,216.154 v1(27.432,216.281) ; J15.8@26.46,179.673 27.07,179.673 27.07,180.417 27.686,181.033 v1@27.686,181.229 ; J13.8@26.46,203.041 27.07,203.041 27.07,203.658 27.686,204.274 v1@27.686,204.47 ; J16.8@26.841,168.37 27.451,168.37 27.451,169.241 ; J27.8@26.873,21.463 27.483,21.463 28.88,22.86 C16.2@30.932,22.86 ; J26.8@26.873,33.528 27.483,33.528 29.007,35.052 C24.2@31.059,35.052 ; J25.8@26.873,45.085 27.483,45.085 28.753,46.355 C29.2@31.059,46.355 ; J23.8@26.873,68.58 27.483,68.58 28.231,69.328 28.231,69.76 v1(28.321,69.85) C14.2@31.059,69.85 ; J22.8@26.873,80.137 27.483,80.137 28.104,80.758 28.104,81.19 v1(28.194,81.28) 28.321,81.28 28.575,81.534 C15.2@31.059,81.534 ; J20.8@26.873,104.14 27.51,104.227 27.762,104.433 27.992,104.663 v1@28.067,105.41 ; J19.8@26.873,132.588 26.968,132.683 27.578,132.683 27.578,133.427 28.194,134.043 v1(28.194,134.239) 28.321,134.112 C9.2@31.059,134.112 ; J17.8@26.873,156.337 26.968,156.432 27.578,156.432 27.578,157.245 28.067,157.734 v1@28.067,158.115 ; J21.8@27,92.075 27.61,92.075 28.88,93.345 C20.2@31.059,93.345 ; J18.8@27,144.78 27.095,144.875 27.705,144.875 27.705,145.746 28.194,146.235 v1@28.194,146.431 ; v1@27.508,216.154 C10.2@31.059,216.154 ; J24.8@27.578,57.118 27.578,57.296 28.086,57.804 28.086,57.899 28.321,58.134 v1(28.321,58.261) ; v1@27.635,192.913 C12.2@31.059,192.913 ; v1@27.635,204.216 C11.2@31.059,204.216 ; v1@27.889,181.102 C8.2@31.059,181.102 ; v1@28.13,105.093 28.504,105.466 30.934,105.466 31.059,105.591 C21.2@31.059,105.791 ; v1@28.397,146.177 C6.2@31.059,146.177 ; v1@28.397,157.861 C17.2@31.059,157.861 ; v1@28.521,58.061 28.88,58.42 C13.2@31.059,58.42 ; v1@28.791,58.509 31.496,61.214 35.306,61.214 38.354,64.262 38.354,77.47 41.148,80.264 U5.16@42.57,80.264 ; C19.2@120.071,128.27 122.555,128.27 122.682,128.397 v1(122.809,128.397) 122.809,128.524 123.425,129.14 123.425,129.572 124.035,129.572 J4.8@124.13,129.667 ; C22.2@120.071,140.462 120.071,140.46 120.196,140.335 121.996,140.335 123.52,141.859 J5.8@124.13,141.859 ; C28.2@120.071,151.765 121.996,151.765 123.393,153.162 J6.8@124.003,153.162 ; C27.2@120.071,163.703 121.869,163.703 123.266,165.1 J7.8@123.876,165.1 ; C26.2@120.071,175.514 120.071,175.643 120.196,175.768 121.869,175.768 123.139,177.038 J8.8@123.749,177.038 ; C23.2@120.071,199.136 122.25,199.136 123.647,200.533 J10.8@124.257,200.533 ; C18.2@120.071,211.074 122.377,211.074 123.774,212.471 J11.8@124.384,212.471 ; C25.2@120.198,187.071 121.869,187.071 123.139,188.341 J9.8@123.749,188.341
  Top Layer w1: v1@56.007,120.396 56.007,129.208 56.593,129.794 59.997,129.794 68.606,138.404 ; v1(56.134,120.396) 58.928,117.602 58.928,97.155 55.626,93.853 55.626,78.994 60.071,74.549 ; R1.2@67.722,138.43 68.58,138.43 ; J1.1@70.739,117.829 70.739,114.681 72.136,113.284 D2.1@82.073,113.284 ; U1.3@75.622,86.439 75.622,88.466 76.653,89.497 83.814,89.497 85.622,87.689 U1.8@85.622,86.439 85.622,74.549 60.071,74.549 ; E2.1@77.156,51.495 77.156,57.464 60.071,74.549
  Bottom Layer w0.5: P5.3@57.531,161.978 62.283,161.978 66.04,165.735 v1(79.375,165.735)
  Bottom Layer w0.8: v1(27.432,216.281) 27.432,204.92 27.686,204.666 27.686,204.47 27.622,204.406 27.622,193.23 27.559,193.167 v1(27.622,193.103) 27.622,181.292 27.686,181.229 27.686,170.376 27.94,170.122 27.94,169.926 28.003,169.862 28.003,158.178 28.067,158.115 28.13,158.052 28.13,146.494 28.194,146.431 v1(28.194,134.239) 28.194,126.111 31.115,123.19 31.115,108.458 ; v1@27.94,22.606 28.321,22.987 v1(28.321,58.261) v1(28.321,69.85) 28.258,69.913 28.258,81.216 v1(28.194,81.28) v1(28.194,93.091) 28.284,93.181 28.284,93.513 28.321,93.55 v1(28.321,105.283) ; v1@122.428,210.947 122.492,210.883 v1@122.492,199.009 ; v1@122.682,198.882 122.682,187.071 122.555,175.641 122.682,175.514 122.682,163.703 122.682,151.765 122.809,151.638 v1@122.809,140.462
  Bottom Layer w1: v1(27.432,216.281) v1@27.532,216.381 ; v1@28.3,105.335 28.373,105.408 28.373,105.716 31.115,108.458 ; v1(56.134,120.396) 56.134,118.364 64.135,110.363 69.215,110.363 72.009,113.157 74.268,113.157 D1.1@74.422,113.003 ; E2.1@77.156,51.495 80.518,48.133 137.209,48.133 137.795,48.719 137.795,124.89 137.209,125.476 124.714,125.476 122.809,127.381 v1@122.809,140.462 ; P8.3@93,207.518 105.664,207.518 108.204,210.058 108.204,215.138 113.919,220.853 122.428,220.853 v1@122.428,210.947
  Bottom Layer w2: v1@27.94,22.606 27.94,14.097 30.226,11.811 45.085,11.811 49.911,16.637 49.911,44.958 56.448,51.495 E2.1@77.156,51.495
  other v1: 28.321,22.733 28.448,34.544 28.321,46.101 122.809,140.589 28.194,146.177 122.682,152.146 28.067,157.861 122.682,164.211 27.94,169.672 122.555,175.895 27.686,180.975 122.682,187.198 122.555,199.263 27.686,204.216 122.555,211.328
pads on no net: P4.2 P7.1 P7.2 P7.3 P7.4 P7.5 P7.6 U1.9 U1.10 U1.11 U1.12 U1.13 U1.14 U1.20 U2.1 U2.7 U2.9 U2.17 U2.18 U2.19 U2.38 U2.39 U2.40 U2.41 U2.42 U2.43 U2.44 U2.45 U2.46 U2.47 U2.48 U2.54 U2.56 U2.57 U2.59 U2.62
copper on no net: | length 436.6
  Top Layer w3: 12.319,128.143 21.006,128.143 21.641,128.778 ; 12.319,133.143 21.086,133.143 21.641,132.588 ; 12.319,139.954 20.752,139.954 21.768,140.97 ; 12.319,144.954 21.594,144.954 21.768,144.78 ; 12.319,151.765 20.879,151.765 21.641,152.527 ; 12.319,156.765 21.213,156.765 21.641,156.337 ; 12.319,163.576 20.625,163.576 21.514,164.465 ; 12.319,168.576 21.213,168.576 21.514,168.275 ; 12.319,175.467 20.832,175.467 21.133,175.768 ; 12.319,180.467 20.244,180.467 21.133,179.578 ; 12.319,187.198 20.498,187.198 20.879,187.579 ; 12.319,192.198 20.07,192.198 20.879,191.389 ; 12.446,16.891 20.879,16.891 21.641,17.653 ; 12.446,21.891 21.213,21.891 21.641,21.463 ; 12.446,28.829 20.752,28.829 21.641,29.718 ; 12.446,33.829 21.34,33.829 21.641,33.528 ; 12.446,40.64 21.006,40.64 21.641,41.275 ; 12.446,45.64 21.086,45.64 21.641,45.085 ; 12.446,52.324 20.752,52.324 21.641,53.213 ; 12.446,57.324 21.34,57.324 21.641,57.023 ; 12.446,64.008 20.879,64.008 21.641,64.77 ; 12.446,69.008 21.213,69.008 21.641,68.58 ; 12.446,75.819 21.133,75.819 21.641,76.327 ; 12.446,80.819 20.959,80.819 21.641,80.137 ; 12.446,87.63 21.133,87.63 21.768,88.265 ; 12.446,92.63 21.213,92.63 21.768,92.075 ; 12.446,99.441 20.752,99.441 21.641,100.33 ; 12.446,104.441 21.34,104.441 21.641,104.14 ; 12.446,199.089 21.086,199.089 21.133,199.136 ; 12.446,204.089 19.99,204.089 21.133,202.946 ; 12.573,216.027 19.609,216.027 20.879,214.757 ; 12.653,210.947 20.879,210.947 ; 128.981,177.038 129.997,176.022 137.541,176.022 ; 128.981,180.848 129.155,181.022 137.541,181.022 ; 128.981,188.341 129.536,187.786 137.541,187.786 ; 128.981,192.151 129.616,192.786 137.541,192.786 ; 129.108,165.1 129.997,164.211 137.668,164.211 ; 129.108,168.91 129.409,169.211 137.668,169.211 ; 129.235,153.162 129.917,152.48 137.668,152.48 ; 129.235,156.972 129.743,157.48 137.668,157.48 ; 129.362,129.667 129.743,129.286 137.922,129.286 ; 129.362,133.477 130.171,134.286 137.922,134.286 ; 129.362,141.859 130.298,140.923 137.795,140.923 ; 129.362,145.669 129.616,145.923 137.795,145.923 ; 129.489,200.533 130.378,199.644 137.541,199.644 ; 129.489,204.343 129.79,204.644 137.541,204.644 ; 129.616,212.471 130.632,211.455 137.541,211.455 ; 129.616,216.281 129.79,216.455 137.541,216.455

## Polygon pours and split planes (outlines as drawn)
GND on Bottom Layer "GND_L02_P001" (hatched 90Degree grid 0.7 track 0.3, remove dead copper, pour order 1): 9.525,226.314 9.652,226.314 15.24,231.902 136.144,231.902 136.144,231.521 143.256,224.409 143.002,224.155 126.238,224.155 122.301,220.218 122.655,219.864 122.655,127.027 125.095,124.587 124.841,124.333 138.176,124.333 139.192,123.317 140.589,121.666 140.589,111.506 148.93,103.165 149.225,49.657 146.685,47.117 56.769,47.117 56.769,46.863 53.467,43.561 53.467,3.937 50.673,1.143 14.478,1.143 7.62,8.001 18.923,8.001 28.067,17.145 28.067,107.696 24.257,111.506 10.414,111.506 10.414,120.65 10.287,120.777 24.13,120.777 28.829,125.476 27.94,126.365 27.94,219.075 21.082,225.933 9.144,225.933
GND on Top Layer "GND_L01_P002" (hatched 90Degree grid 0.7 track 0.3, remove dead copper, pour order 2): 9.525,226.187 14.986,231.648 135.89,231.648 143.256,224.282 143.002,224.028 125.984,224.028 122.047,220.091 122.047,126.619 124.206,124.46 123.825,124.079 138.303,123.952 140.462,121.793 140.462,110.617 148.631,102.067 148.971,49.53 146.431,46.99 121.793,46.99 118.999,49.784 118.999,63.754 115.57,67.183 79.375,67.183 75.057,62.865 75.057,48.895 73.152,46.99 56.896,46.99 53.975,44.069 53.975,4.318 50.8,1.143 13.843,1.143 6.604,8.382 22.733,8.382 29.083,14.732 29.083,107.442 25.273,111.252 10.033,111.252 10.033,120.269 9.906,120.396 23.495,120.396 27.813,124.714 27.813,219.075 27.686,219.075 20.955,225.806 9.017,225.806

## Keep-outs
Keep-Out Layer:
  lines w0.2: 67.768,203.403 67.463,203.708 64.008,203.708 64.008,214.376 67.594,214.376 67.943,214.724
  lines w0.254: 67.768,203.403 ccw(c77.47,208.915) 67.943,214.724
  lines w0.5: 0,13.843 13.843,0 51.181,0 55.245,4.064 55.245,43.942 57.404,46.101 147.32,46.101 150,48.781 150,108.699 148.631,110.068 144.821,110.068 141.986,112.903 141.986,116.078 141.986,117.094 141.986,120.269 144.821,123.104 148.631,123.104 150,124.473 150,219.316 136.398,232.918 14.478,232.918 0,218.44 0,124.968 1.651,123.317 5.842,123.317 9.017,120.142 9.017,115.951 9.017,115.57 9.017,111.506 5.842,108.331 1.778,108.331 0,106.553 0,13.843
  lines w1: 211.328,185.547 211.709,185.547

## Other copper
Top Layer:
  region net GND: 83.622,99.754 83.622,102.391 83.693,102.462 85.852,102.462 85.852,100.811 85.979,100.684 83.693,98.398 83.693,98.144

## Silkscreen, mask and mechanical layers (free items; w line width, h text height)
Top Overlay:
  drawing of 53 lines, arcs and shapes, not listed
  text "GND" at 75.057,117.094 h1.52
  text "GND" at 70.993,68.199 h1.52
  text "GND" at 130.81,62.357 h1.52
Bottom Overlay:
  drawing of 44 lines, arcs and shapes, not listed

## Text inside footprints (layer, text, board x,y; h text height)
Buzzer1: Top Overlay "+" at 70.739,179.197 h1.52
D1: Top Overlay "+" at 77.089,112.395 h1.52 r90
D2: Top Overlay "+" at 85.344,112.395 h1.52 r90
T1: Top Overlay "1 2" at 146.558,128.571 h2.5 r90
T2: Top Overlay "1 2" at 146.431,140.208 h2.5 r90
T3: Top Overlay "1 2" at 146.304,151.765 h2.5 r90
T4: Top Overlay "1 2" at 146.304,163.496 h2.5 r90
T5: Top Overlay "1 2" at 146.177,175.307 h2.5 r90
T6: Top Overlay "1 2" at 146.177,187.071 h2.5 r90
T7: Top Overlay "1 2" at 146.177,198.929 h2.5 r90
T8: Top Overlay "1 2" at 146.177,210.74 h2.5 r90
T9: Top Overlay "1 2" at 3.937,216.742 h2.5 r270
T10: Top Overlay "1 2" at 3.81,204.804 h2.5 r270
T11: Top Overlay "1 2" at 3.683,192.913 h2.5 r270
T12: Top Overlay "1 2" at 3.683,181.182 h2.5 r270
T13: Top Overlay "1 2" at 3.683,169.291 h2.5 r270
T14: Top Overlay "1 2" at 3.683,157.48 h2.5 r270
T15: Top Overlay "1 2" at 3.683,145.669 h2.5 r270
T16: Top Overlay "1 2" at 3.683,133.858 h2.5 r270
T17: Top Overlay "1 2" at 3.81,105.156 h2.5 r270
T18: Top Overlay "1 2" at 3.81,93.345 h2.5 r270
T19: Top Overlay "1 2" at 3.81,81.534 h2.5 r270
T20: Top Overlay "1 2" at 3.81,69.723 h2.5 r270
T21: Top Overlay "1 2" at 3.81,58.039 h2.5 r270
T22: Top Overlay "1 2" at 3.81,46.355 h2.5 r270
T23: Top Overlay "1 2" at 3.81,34.544 h2.5 r270
T24: Top Overlay "1 2" at 3.81,22.606 h2.5 r270
U1: Mechanical 13 "ANTENNA AREA" at 63.748,86.191 h0.25 r90; Mechanical 13 "CUTOUT POLYGON" at 64.256,86.191 h0.25 r90